# Allegro board IMX7D EVK BOARD REV D_160314.brd
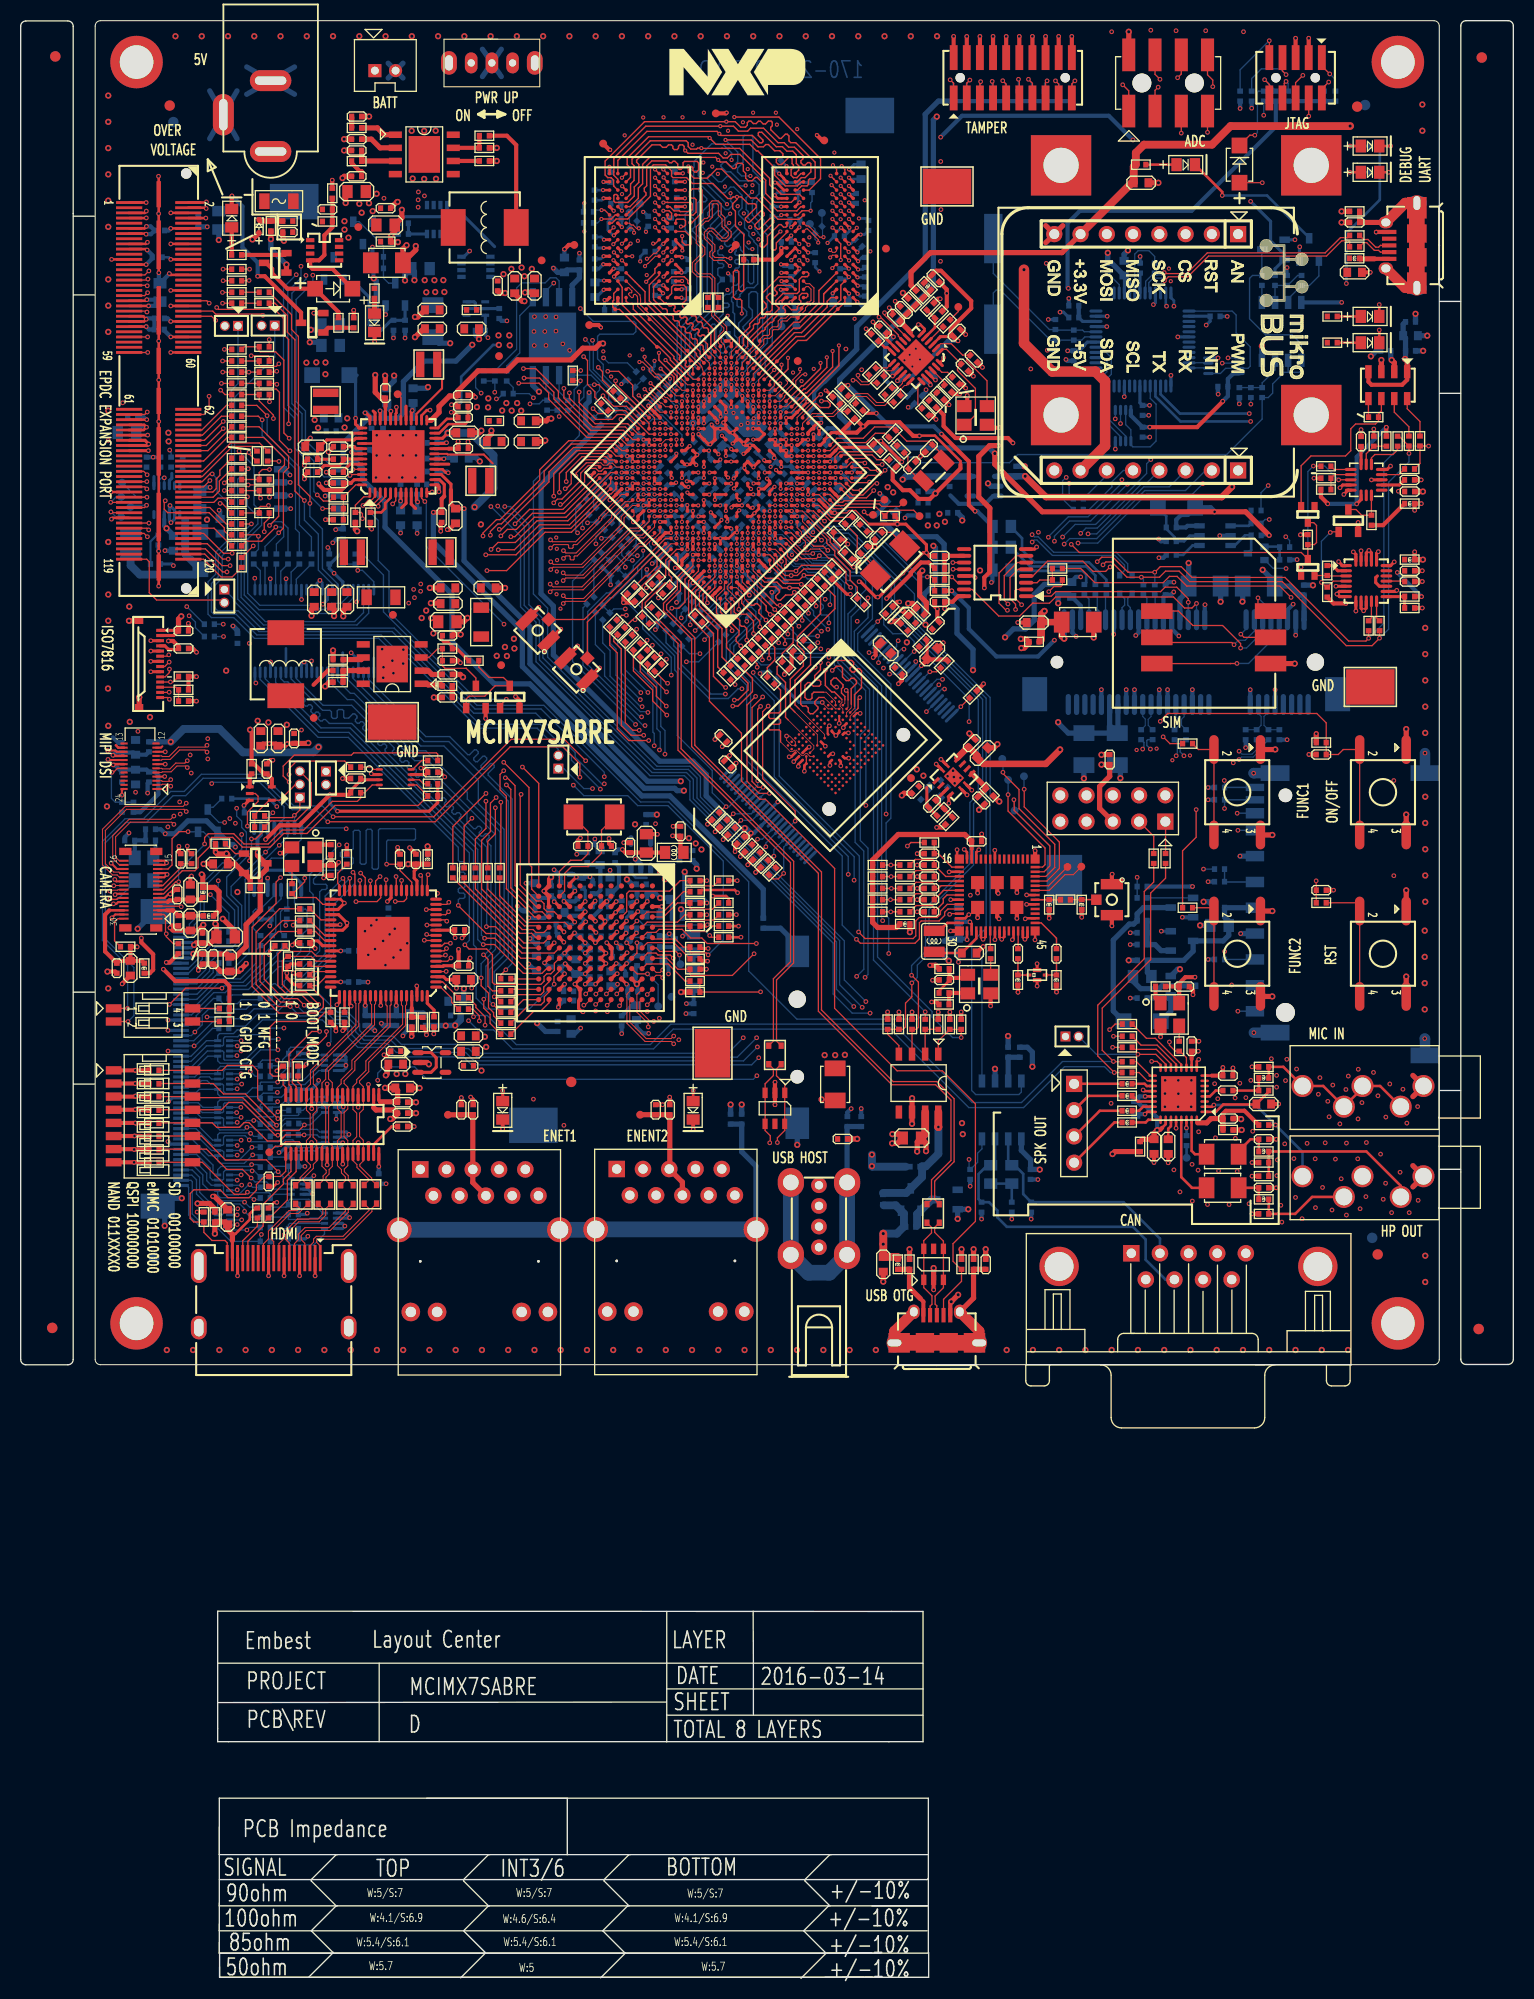
[diagram p0: board, top side]
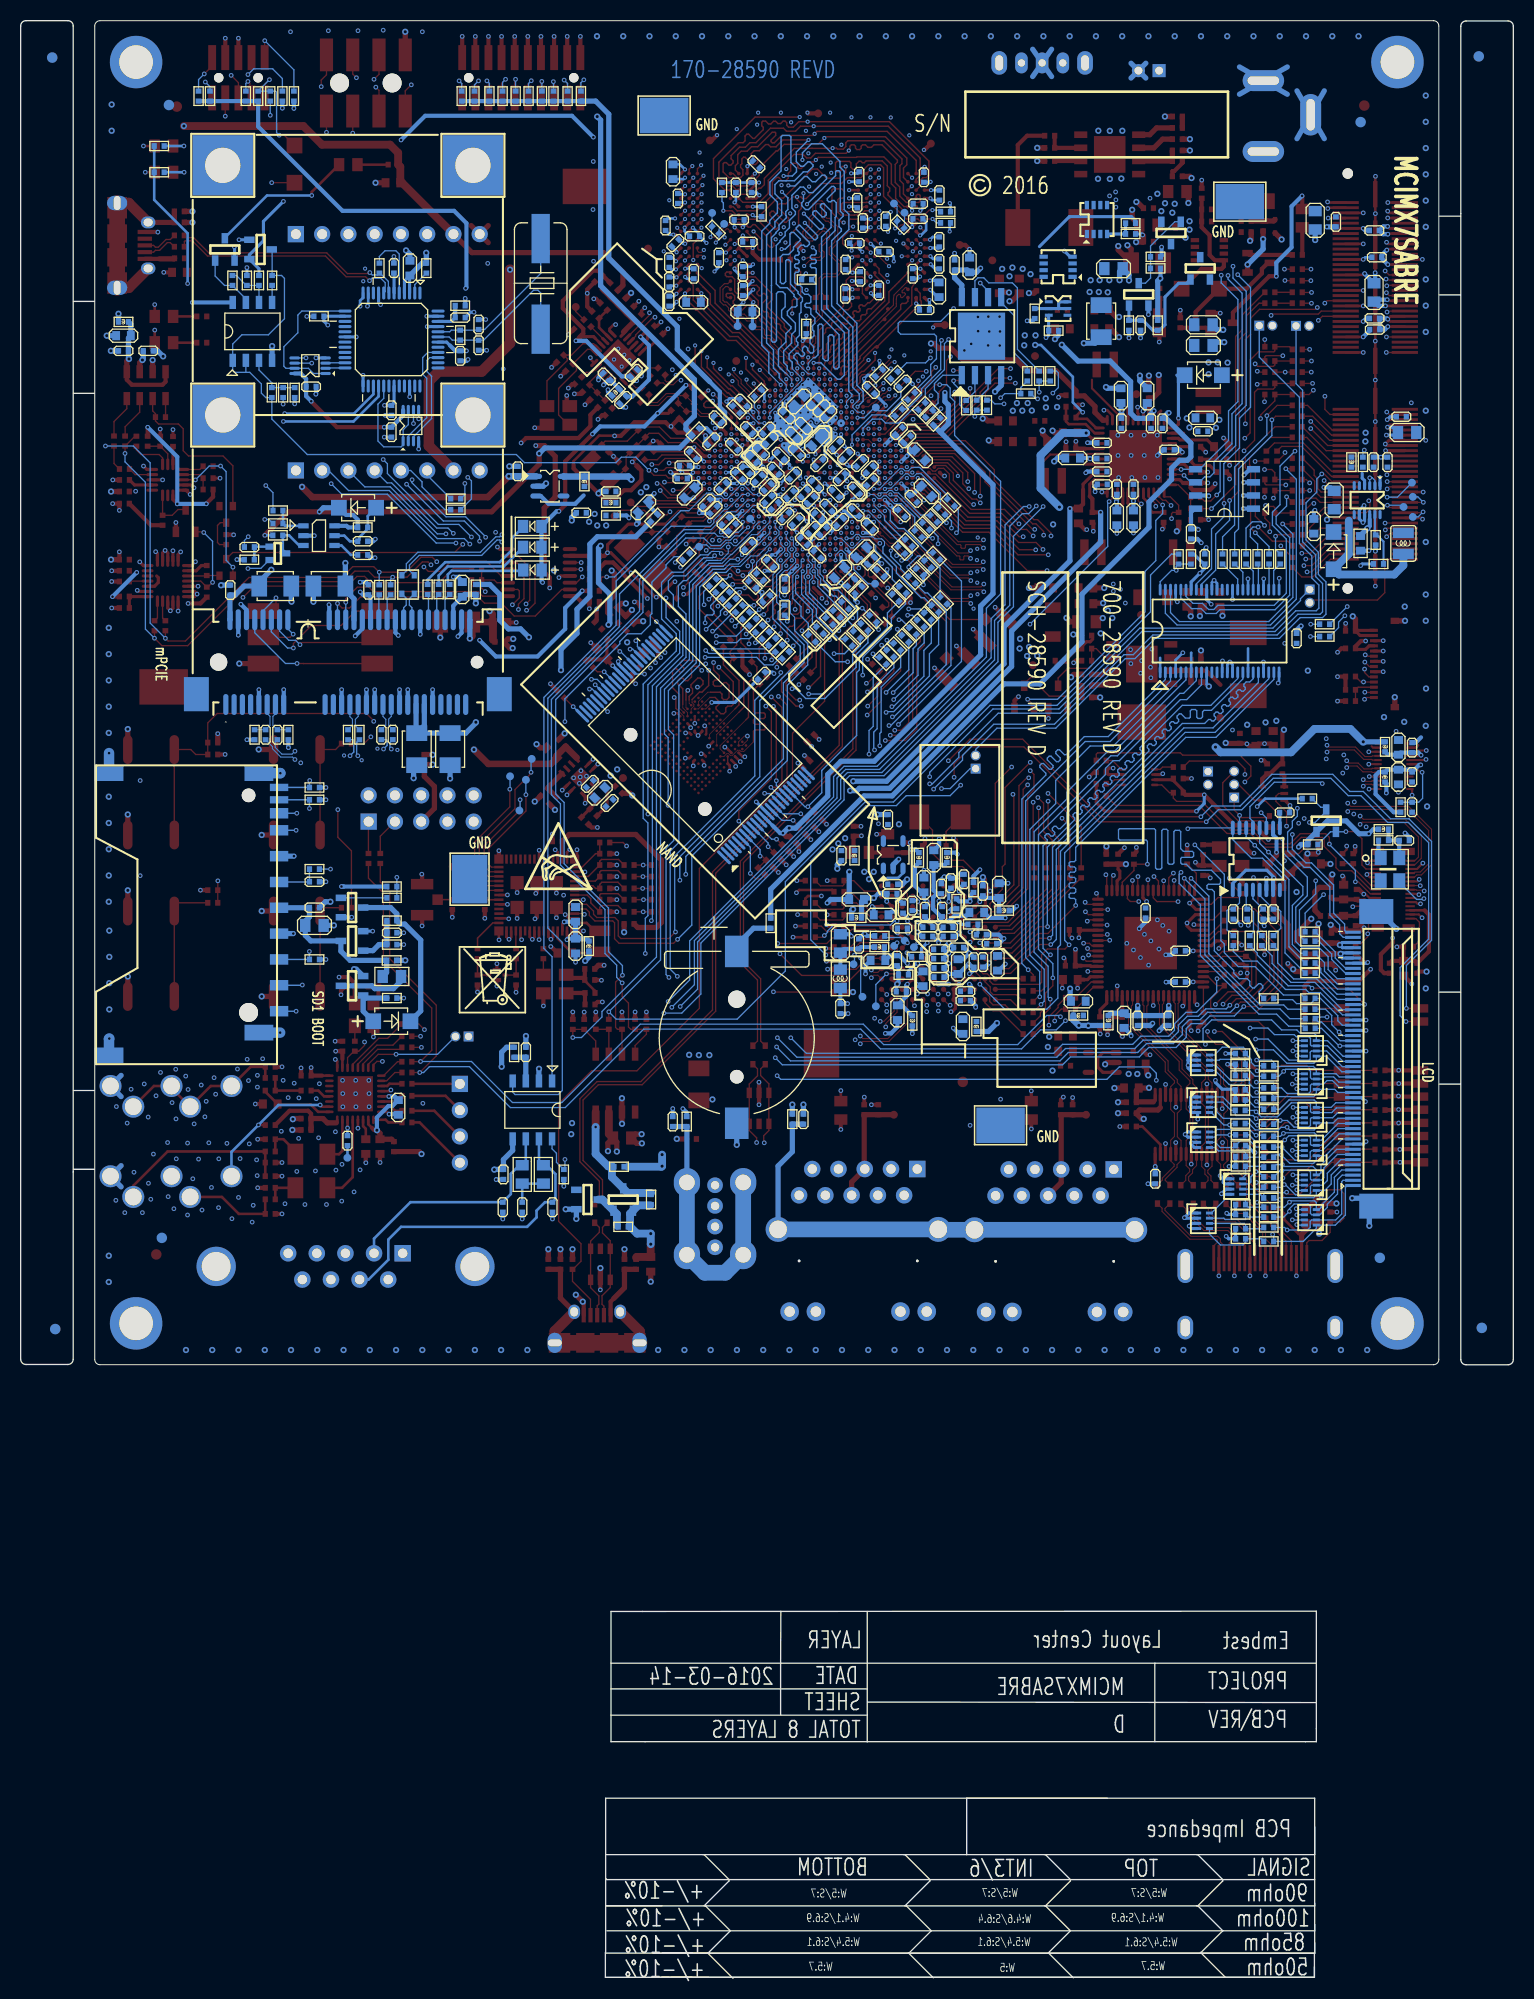
[diagram p1: board, bottom side, seen from below]

Outline 144.37 x 189.36 mm; copper layers: TOP, L2_GND_1, L3_INT_1, L4_PWR_1, L5_PWR_2, L6_INT_2, L7_GND_2, BOTTOM. Coordinates in mm from the lower left corner of the outline.
Outline path: 5.11,170.45 7.13,170.45 ; 5.11,162.83 7.13,162.83 ; 5.11,95.39 7.13,95.39 ; 5.11,86.5 7.13,86.5 ; 19.05,30.48 87.28,30.48 ; 19.05,26.67 62.44,26.72 ; 19.21,14.63 19.21,11.96 52.87,11.96 ; 52.87,11.96 52.87,17.42 39.28,17.42 ; 52.87,11.96 87.79,11.96 ; 19.21,9.55 87.67,9.55 87.79,9.68 ; 19.21,7.26 19.21,7.01 87.79,7.01 82.33,7.01 ; 19.21,5.23 19.21,4.6 87.67,4.6 ; 19.21,3.45 19.21,2.44 ; 19.21,2.44 19.21,17.42 87.79,17.42 87.79,2.44 79.41,2.44 81.44,2.44 ; 19.21,2.44 82.33,2.44 ; 19.21,2.44 82.33,2.44 ; 82.33,2.44 81.7,2.44 ; 19.24,1.12 19.24,0.1 ; 19.24,0.1 19.24,2.41 ; 19.24,0.1 82.36,0.1 ; 19.24,0.1 82.36,0.1 ; 82.36,0.1 81.72,0.1 ; 20.12,22.89 19.05,22.89 19.05,24.13 19.05,35.51 84.23,35.49 87.28,35.49 87.28,22.89 83.95,22.89 ; 30.52,7.01 28.1,9.42 28.1,9.55 30.52,11.96 30.64,11.96 ; 30.52,7.01 28.1,4.6 30.26,2.44 ; 30.52,7.01 30.64,7.01 ; 30.26,2.51 27.85,0.1 ; 34.67,30.48 34.67,22.89 ; 45.25,7.01 42.83,9.42 42.83,9.55 45.25,11.96 45.37,11.96 ; 45.25,7.01 42.83,4.6 44.99,2.44 ; 45.25,7.01 45.37,7.01 ; 44.97,2.46 42.56,0.05 ; 58.46,2.44 56.3,4.6 58.71,7.01 58.84,7.01 56.42,9.42 56.42,9.55 58.84,11.96 58.96,11.96 ; 58.51,2.46 56.09,0.05 ; 62.49,35.49 62.49,22.86 ; 62.51,27.99 87.28,27.99 ; 62.51,25.45 87.28,25.45 ; 70.84,35.51 70.87,30.48 70.87,25.48 ; 77.89,2.44 75.73,4.6 78.14,7.01 78.27,7.01 75.85,9.42 75.85,9.55 78.27,11.96 78.39,11.96 ; 77.76,2.44 83.22,2.44 ; 77.79,0.1 83.25,0.1 ; 77.89,2.41 75.47,0 ; 81.47,0.1 79.44,0.1 87.82,0.1 87.82,2.51 ; 84,22.89 20.1,22.89 ; 139.27,162.2 137.24,162.2 ; 139.27,153.31 137.24,153.31 ; 139.27,85.88 137.24,85.88 ; 139.27,78.26 137.24,78.26 ; 0,188.82 arc(0.15,189.18) 0.51,189.33 4.57,189.33 arc(4.93,189.18) 5.08,188.82 5.08,59.86 arc(4.93,59.5) 4.57,59.35 0.51,59.35 arc(0.15,59.5) 0,59.86 0,188.82 ; 7.21,188.85 7.21,59.86 arc(7.36,59.5) 7.72,59.35 136.7,59.35 arc(137.06,59.5) 137.21,59.86 137.21,188.85 arc(137.06,189.2) 136.7,189.35 7.72,189.35 arc(7.36,189.2) 7.21,188.85 ; 139.29,188.85 arc(139.44,189.21) 139.8,189.36 143.86,189.36 arc(144.22,189.21) 144.37,188.85 144.37,59.88 arc(144.22,59.52) 143.86,59.38 139.8,59.38 arc(139.44,59.52) 139.29,59.88 139.29,188.85

## Design rules (mm)
net group DIFFPAIR28: nets HDMI_D2M HDMI_D2P
net group DIFFPAIR29: nets HDMI_D1M HDMI_D1P
net group DIFFPAIR30: nets HDMI_D0M HDMI_D0P
net group DIFFPAIR31: nets HDMI_CLKM HDMI_CLKP
net group DIFFPAIR47: nets TD_P0_N0 TD_P0_P0
net group DIFFPAIR48: nets TD_P0_N1 TD_P0_P1
net group DIFFPAIR49: nets TD_P0_N2 TD_P0_P2
net group DIFFPAIR50: nets TD_P0_N3 TD_P0_P3
net group DIFFPAIR51: nets TD_P1_N0 TD_P1_P0
net group DIFFPAIR52: nets TD_P1_N1 TD_P1_P1
net group DIFFPAIR53: nets TD_P1_N2 TD_P1_P2
net group DIFFPAIR54: nets TD_P1_N3 TD_P1_P3
net group DIFFPAIR55: nets USB_HOST_N USB_HOST_P
net group DIFFPAIR56: nets USB_OTG_N USB_OTG_P
net group DIFFPAIR57: nets USB_OTG1_DN USB_OTG1_DP
net group DIFFPAIR58: nets D_USB_DN D_USB_DP
net group DIFFPAIR59: nets USB_DN USB_DP
net group DIFFPAIR60: nets MIPI_DSI_D1_N MIPI_DSI_D1_P
net group DIFFPAIR61: nets MIPI_DSI_CLK_N MIPI_DSI_CLK_P
net group DIFFPAIR62: nets MIPI_DSI_D0_N MIPI_DSI_D0_P
net group DIFFPAIR63: nets MIPI_CSI_D0_N MIPI_CSI_D0_P
net group DIFFPAIR64: nets MIPI_CSI_D1_N MIPI_CSI_D1_P
net group DIFFPAIR65: nets MIPI_CSI_CLK_N MIPI_CSI_CLK_P
net group DIFFPAIR66: nets DRAM_SDQS1_N DRAM_SDQS1_P
net group DIFFPAIR68: nets DRAM_SDQS3_N DRAM_SDQS3_P
net group DIFFPAIR69: nets DRAM_SDCLK0_N DRAM_SDCLK0_P
net group DIFFPAIR70: nets DRAM_SDQS2_N DRAM_SDQS2_P
net group DIFFPAIR71: nets DRAM_SDQS0_N DRAM_SDQS0_P
net group DIFFPAIR72: nets DDR_SDCLK0_N DDR_SDCLK0_P
net group DIFFPAIR73: nets N17107788 N17107790
net group DIFFPAIR74: nets N20024618 N20194241
net group DIFFPAIR75: nets N19947680 N19999209
net group DIFFPAIR76: nets HDMI_D2M_X HDMI_D2P_X
net group DIFFPAIR77: nets HDMI_D0M_X HDMI_D0P_X
net group DIFFPAIR78: nets HDMI_D1M_X HDMI_D1P_X
net group DIFFPAIR79: nets HDMI_CLKM_X HDMI_CLKP_X
net group GPIO_EPDC_D0: nets GPIO_EPDC_D0 QSPIA_DA0
net group GPIO_EPDC_D1: nets GPIO_EPDC_D1 QSPIA_DA1
net group GPIO_EPDC_D2: nets GPIO_EPDC_D2 QSPIA_DA2
net group GPIO_EPDC_D3: nets GPIO_EPDC_D3 QSPIA_DA3
net group GTXCLK_P0: nets GTXCLK_P0 RGMII1_TXC
net group HDMI_PCLK: nets HDMI_PCLK LCD1_CLK
net group HPOUTL: nets HPOUTL N18533201
net group HPOUTR: nets HPOUTR N18533198
net group I2C_PCIE: nets PCIE_SMB_CLK PCIE_SMB_DATA
net group LCD_B0: nets LCD1_DATA0 LCD_B0
net group LCD_B1: nets LCD1_DATA1 LCD_B1
net group LCD_B2: nets LCD1_DATA2 LCD_B2
net group LCD_B3: nets LCD1_DATA3 LCD_B3
net group LCD_B4: nets LCD1_DATA4 LCD_B4
net group LCD_B5: nets LCD1_DATA5 LCD_B5
net group LCD_B6: nets LCD1_DATA6 LCD_B6
net group LCD_B7: nets LCD1_DATA7 LCD_B7
net group LCD_G0: nets LCD1_DATA8 LCD_G0
net group LCD_G1: nets LCD1_DATA9 LCD_G1
net group LCD_G2: nets LCD1_DATA10 LCD_G2
net group LCD_G3: nets LCD1_DATA11 LCD_G3
net group LCD_G4: nets LCD1_DATA12 LCD_G4
net group LCD_G5: nets LCD1_DATA13 LCD_G5
net group LCD_G6: nets LCD1_DATA14 LCD_G6
net group LCD_G7: nets LCD1_DATA15 LCD_G7
net group LCD_R0: nets LCD1_DATA16 LCD_R0
net group LCD_R1: nets LCD1_DATA17 LCD_R1
net group LCD_R2: nets LCD1_DATA18 LCD_R2
net group LCD_R3: nets LCD1_DATA19 LCD_R3
net group LCD_R4: nets LCD1_DATA20 LCD_R4
net group LCD_R5: nets LCD1_DATA21 LCD_R5
net group LCD_R6: nets LCD1_DATA22 LCD_R6
net group LCD_R7: nets LCD1_DATA23 LCD_R7
net group MIC: nets MIC MIC_RAW
net group N19949408: nets N19949408 N20073057
net group OTG_VBUS: nets OTG_VBUS USB_OTG_PWR
net group PCIE_CLK: nets PCIE_REFCLK_N PCIE_REFCLK_P
net group PCIE_CREFCLK: nets PCIE_REFCLKOUT_N PCIE_REFCLKOUT_P
net group PCIE_CRX: nets N21736604 PCIE_CRXP
net group PCIE_CTX: nets PCIE_CTXM PCIE_CTXP
net group PCIE_RX: nets PCIE_RX_N PCIE_RX_P
net group PCIE_TX: nets PCIE_TX_N PCIE_TX_P
net group PCIE_USB_D: nets PCIE_USB_DM PCIE_USB_DP
net group PLLVDD_ENET: nets N17474021 PLLVDD_ENET
net group QSPIA_SCLK: nets GPIO_EPDC_D5 QSPIA_SCLK
net group RGMII1_RX_CTL: nets RGMII1_RX_CTL RX_DV_P0
net group RGMII1_RXC: nets RGMII1_RXC RXC_P0
net group RGMII1_RXD0: nets RGMII1_RXD0 RXD_P0_0
net group RGMII1_RXD1: nets RGMII1_RXD1 RXD_P0_1
net group RGMII1_RXD2: nets RGMII1_RXD2 RXD_P0_2
net group RGMII1_RXD3: nets RGMII1_RXD3 RXD_P0_3
net group RGMII2_TX_CTL: nets BUF_RGMII2_TX_CTL RGMII2_TX_CTL
net group RGMII2_TXC: nets BUF_RGMII2_TXC RGMII2_TXC
net group RGMII2_TXD0: nets BUF_RGMII2_TXD0 RGMII2_TXD0
net group RGMII2_TXD1: nets BUF_RGMII2_TXD1 RGMII2_TXD1
net group RGMII2_TXD2: nets BUF_RGMII2_TXD2 RGMII2_TXD2
net group RGMII2_TXD3: nets BUF_RGMII2_TXD3 RGMII2_TXD3
net group SD1_CMD: nets SD1_CMD SOC_SD1_CMD
net group SD3_CMD: nets GPIO_SD3_CMD SD3_CMD
net group SD3_RESET_B: nets GPIO_SD3_RESET_B SD3_RESET_B
net group SPKLP: nets SPKLP SPKOUTLP
net group SPKOUTR: nets SPKOUTRP SPKRN
net group SPLLVDD_ENET: nets N19223289 SPLLVDD_ENET
net group TXD_EN_P0: nets RGMII1_TX_CTL TXD_EN_P0
net group TXD_P0_0: nets RGMII1_TXD0 TXD_P0_0
net group TXD_P0_1: nets RGMII1_TXD1 TXD_P0_1
net group TXD_P0_2: nets RGMII1_TXD2 TXD_P0_2
net group TXD_P0_3: nets RGMII1_TXD3 TXD_P0_3
net group USB_HOST: nets USB_PCIE_DN USB_PCIE_DP
net group USB_HOST_D: nets USB_OTG2_DN USB_OTG2_DP
net group AVDDL_CLK_ENET: nets AVDDL_CLK_ENET
net group DBG_5V: nets DBG_5V
net group DDR-DATA3: nets DRAM_DQM2
net group DLP-RGB: nets LCD1_HSYNC
net group HDMI_AVCC12: nets HDMI_AVCC12
net group I2C_EPDC: nets EPD_I2C_SCL EPD_I2C_SDA I2C3_SCL I2C3_SDA
net group NAND_D0: nets GPIO_SD3_DATA0 NAND_D0 SD3_DATA0
net group NAND_D1: nets GPIO_SD3_DATA1 NAND_D1 SD3_DATA1
net group NAND_D2: nets GPIO_SD3_DATA2 NAND_D2 SD3_DATA2
net group NAND_D3: nets GPIO_SD3_DATA3 NAND_D3 SD3_DATA3
net group NAND_D4: nets GPIO_SD3_DATA4 NAND_D4 SD3_DATA4
net group NAND_D5: nets GPIO_SD3_DATA5 NAND_D5 SD3_DATA5
net group NAND_D6: nets GPIO_SD3_DATA6 NAND_D6 SD3_DATA6
net group NAND_D7: nets GPIO_SD3_DATA7 NAND_D7 SD3_DATA7
net group NVCC_1V8: nets WLIO_1V8
net group NVCC_SD1: nets NVCC_SD1 SD1_CD_B SD1_WP
net group PCIE_UIM: nets PCI3_UIM_CLK PCIE_UIM_DATA PCIE_UIM_PWR PCIE_UIM_RST PCIE_UIM_VPP
net group RGMII2_RX: nets RGMII2_RX_CTL RGMII2_RXC RGMII2_RXD0 RGMII2_RXD1 RGMII2_RXD2 RGMII2_RXD3
net group SD1: nets SD1_CLK SD1_CLK_R SD1_DATA0 SD1_DATA1 SD1_DATA2 SD1_DATA3
net group SD1_CLK: nets SOC_SD1_CLK
net group SD1_DATA0: nets SOC_SD1_DATA0
net group SD1_DATA1: nets SOC_SD1_DATA1
net group SD1_DATA2: nets SOC_SD1_DATA2
net group SD1_DATA3: nets SOC_SD1_DATA3
net group SD2_CLK_R: nets SD2_CLK SD2_CLK_R SOC_SD2_CLK
net group SD2_CMD: nets SD2_CMD SD2_CMD_R SOC_SD2_CMD
net group SD2_DATA0: nets SD2_DA0 SD2_DATA0 SOC_SD2_DATA0
net group SD2_DATA1: nets SD2_DA1 SD2_DATA1 SOC_SD2_DATA1
net group SD2_DATA2: nets SD2_DA2 SD2_DATA2 SOC_SD2_DATA2
net group SD2_DATA3: nets SD2_DA3 SD2_DATA3 SOC_SD2_DATA3
net group SD3_CLK: nets GPIO_SD3_CLK SD3_CLK SD3_CLK_R
net group SD3_STROBE: nets GPIO_SD3_STROBE SD3_STROBE SD3_STROBE_R
net group SPKOUTL: nets SPKOUTLN
net group SPKRP: nets SPKRP
net group VDDA_1P8: nets N19947907 N21042852 VDDA_1P8 VDDA_ADC_1P8
net group VLDO4_2V8: nets N21040777 N21040955 N21066058 VLDO4_2V8
nets with their own width: min track width 0.127; nets GND

## Placement (name value [footprint] x y rotation side)
C1  100uF  [C35X28]  35.42 165.93 0 top
C2  22uF  [C0805]  35.29 169.59 0 top
C3  1uF  [C0402]  35.29 171.22 0 top
C4  22uF  [C0805]  41.27 131.22 0 top
C5  220nF  [C0402]  41.27 129.88 0 top
C6  100nF  [C0402]  41.27 127.45 0 top
C7  220nF  [C0402]  26.45 119.93 270 top
C8  22uF  [C0603]  23.22 119.93 270 top
C9  22uF  [C0603]  24.89 119.93 270 top
C10  22uF  [C0805]  32.5 172.83 180 top
C11  220nF  [C0402]  32.5 174.3 180 top
C12  220nF  [C0402]  32.5 176.8 180 top
C13  220nF  [C0402]  46.14 163.71 270 top
C14  22uF  [C0603]  49.7 163.71 270 top
C15  10nF  [C0402]  41.27 126.12 0 top
C16  22uF  [C0603]  47.79 163.71 270 top
C17  560pF  [C0402]  41.26 123.9 180 top
C18  10nF  [C0402]  32.5 177.9 180 top
C19  560pF  [C0402]  32.5 180.09 0 top
C20  1uF  [C0402]  39.79 148.52 180 bottom
C21  1uF  [C0402]  39.76 144.5 180 bottom
C22  1uF  [C0402]  39.79 145.75 180 bottom
C23  2.2uF  [C0402]  40.72 141.31 270 top
C24  100nF  [C0402]  42.78 150.97 0 top
C25  4.7uF  [C0603]  42.05 141.45 270 top
C26  2.2uF  [C0402]  42.8 147.99 0 top
C27  4.7uF  [C0603]  42.86 149.49 0 top
C28  100nF  [C0402]  42.78 152.02 180 top
C29  1uF  [C0402]  42.78 153.13 0 top
C30  100nF  [C0402]  33.94 150.41 270 bottom
C31  470nF  [C0402]  35.04 150.41 270 bottom
C32  22uF  [C0603]  28.39 133.38 270 top
C33  22uF  [C0603]  41.33 134.49 180 top
C34  22uF  [C0603]  31.56 133.38 270 top
C35  22uF  [C0603]  30.08 133.38 270 top
C36  4.7uF  [C0603]  37.95 153.09 90 bottom
C37  100nF  [C0402]  37.91 150.41 270 bottom
C38  22uF  [C0603]  39.81 159.55 180 top
C39  22uF  [C0603]  39.81 161.38 180 top
C40  22uF  [C0603]  43.62 159.55 0 top
C41  22uF  [C0603]  49.11 150.65 0 top
C42  100nF  [C0402]  36.74 144.03 90 bottom
C43  4.7uF  [C0603]  36.74 141.27 270 bottom
C44  22uF  [C0603]  41.33 132.96 180 top
C45  22uF  [C0603]  45.22 134.49 0 top
C46  100nF  [C0402]  38.35 144.03 90 bottom
C47  4.7uF  [C0603]  38.35 141.27 270 bottom
C48  4.7uF  [C0603]  35.41 153.09 90 bottom
C49  2.2uF  [C0402]  35.27 153.33 90 top
C50  100nF  [C0402]  39.79 147 180 bottom
C51  4.7uF  [C0603]  30.03 150.94 180 bottom
C52  100nF  [C0402]  30.03 149.64 180 bottom
C53  4.7uF  [C0603]  42.63 147.05 0 bottom
C54  22uF  [C0603]  45.8 148.65 180 top
C55  22uF  [C0603]  49.11 148.65 0 top
C56  22uF  [C0805]  29.98 159.94 180 bottom
C57  22uF  [C0805]  29.98 157.94 180 bottom
C58  1uF  [C0402]  33.28 147.85 0 bottom
C59  1uF  [C0402]  28.23 145.69 180 top
C60  220nF  [C0402]  30.73 145.69 180 top
C61  1uF  [C0402]  30.73 148.15 180 top
C62  10uF  [C0603]  28.24 148.15 180 top
C63  220nF  [C0402]  59.42 149.67 135 bottom
C64  220nF  [C0402]  58.62 148.86 135 bottom
C65  22uF  [C0603]  56.75 143.83 225 bottom
C66  220nF  [C0402]  72.77 147.68 225 bottom
C67  2.2uF  [C0402]  67.54 144.5 45 bottom
C68  220nF  [C0402]  70.48 134.86 270 bottom
C69  220nF  [C0402]  71.88 136.85 225 bottom
C70  220nF  [C0402]  62.25 140.42 225 bottom
C71  220nF  [C0402]  59.17 141.7 225 bottom
C72  220nF  [C0402]  58.01 143.11 225 bottom
C73  22uF  [C0603]  57.38 147.32 225 bottom
C74  220nF  [C0402]  73.93 149.75 45 bottom
C75  220nF  [C0402]  72.22 149.71 135 bottom
C76  2.2uF  [C0402]  75.37 148.15 45 bottom
C77  2.2uF  [C0402]  64.96 145.2 315 bottom
C78  220nF  [C0402]  73.5 146.97 225 bottom
C79  220nF  [C0402]  76.19 140.96 315 bottom
C80  220nF  [C0402]  69.57 149.23 45 bottom
C81  220nF  [C0402]  69.29 147.61 225 bottom
C82  220nF  [C0402]  73.98 138.54 315 bottom
C83  220nF  [C0402]  68.62 150.16 45 bottom
C84  220nF  [C0402]  62.19 144.73 315 bottom
C85  22uF  [C0603]  67.36 148.74 315 bottom
C86  220nF  [C0402]  78.03 142.73 315 bottom
C87  2.2uF  [C0402]  77.35 142.03 315 bottom
C88  220nF  [C0402]  66.25 142.25 225 bottom
C89  2.2uF  [C0402]  71.35 145.84 225 bottom
C90  220nF  [C0402]  87.28 143.83 0 bottom
C91  2.2uF  [C0402]  74.89 145.33 45 bottom
C92  220nF  [C0402]  62.24 145.95 135 bottom
C93  220nF  [C0402]  74.18 145.88 45 bottom
C94  220nF  [C0402]  77.58 148.67 315 bottom
C95  2.2uF  [C0402]  76.95 150.79 45 bottom
C96  4.7uF  [C0603]  84.15 142.28 315 bottom
C97  2.2uF  [C0402]  79.35 147.32 45 bottom
C98  220nF  [C0402]  72.12 144.23 315 bottom
C99  220nF  [C0402]  72.98 145.08 315 bottom
C100  2.2uF  [C0402]  70.86 147.27 225 bottom
C101  220nF  [C0402]  63.62 141.8 45 bottom
C102  18pF  [C0402]  87.84 148 225 top
C103  18pF  [C0402]  86.22 146.35 45 top
C104  220nF  [C0402]  67.32 137.72 225 bottom
C105  18pF  [C0402]  81.58 138.17 45 top
C106  18pF  [C0402]  82.97 139.53 225 top
C107  220nF  [C0402]  76.48 144.35 315 bottom
C108  220nF  [C0402]  68.63 138.98 225 bottom
C109  2.2uF  [C0402]  63.19 146.57 135 bottom
C110  220nF  [C0402]  70.41 141.42 315 bottom
C111  2.2uF  [C0402]  69.39 140.91 315 bottom
C112  470nF  [C0402]  65.49 148.29 135 bottom
C113  470nF  [C0402]  63.55 143.91 225 bottom
C114  470nF  [C0402]  64.53 147.27 135 bottom
C115  2.2uF  [C0402]  65.54 143.61 45 bottom
C116  2.2uF  [C0402]  67.13 146.56 315 bottom
C117  220nF  [C0402]  65.11 140.86 135 bottom
C118  220nF  [C0402]  71.42 142.43 315 bottom
C119  220nF  [C0402]  67.21 141.4 45 bottom
C120  2.2uF  [C0402]  67.84 140.1 315 bottom
C121  10uF  [C0603]  65.19 135.97 315 bottom
C122  220nF  [C0402]  66.76 139.98 135 bottom
C123  10uF  [C0603]  63.04 137.93 135 bottom
C124  220nF  [C0402]  69.95 143.53 135 bottom
C125  220nF  [C0402]  67.96 143 135 bottom
C126  2.2uF  [C0402]  68.58 143.64 135 bottom
C127  220nF  [C0402]  72.05 143.05 315 bottom
C128  2.2uF  [C0402]  69.66 145.36 135 bottom
C129  220nF  [C0402]  90.15 141.75 0 bottom
C130  220nF  [C0402]  80.17 146.32 0 bottom
C131  2.2uF  [C0402]  80.38 145.07 0 bottom
C136  220nF  [C0402]  82 169.55 90 bottom
C137  220nF  [C0402]  57.57 171.66 180 bottom
C138  220nF  [C0402]  75.2 173.22 90 bottom
C139  220nF  [C0402]  63.71 167.84 180 bottom
C140  220nF  [C0402]  62.14 153.64 225 bottom
C141  100nF  [C0402]  74.47 152.41 45 bottom
C142  220nF  [C0402]  57.59 170.2 180 bottom
C143  220nF  [C0402]  58.09 164.88 270 bottom
C144  220nF  [C0402]  64.62 162.94 90 bottom
C145  220nF  [C0402]  73.21 175.47 45 bottom
C146  220nF  [C0402]  60.69 169.95 270 bottom
C147  220nF  [C0402]  63.27 174.26 90 bottom
C148  22uF  [C0603]  69.12 152.52 315 bottom
C149  220nF  [C0402]  63.46 171.74 270 bottom
C150  220nF  [C0402]  62.91 169.78 270 bottom
C151  220nF  [C0402]  63.17 164.6 90 bottom
C152  220nF  [C0402]  55.53 165.83 90 bottom
C153  220nF  [C0402]  74.51 163.25 270 bottom
C154  220nF  [C0402]  70.29 151.17 225 bottom
C155  220nF  [C0402]  61.36 163.27 270 bottom
C156  22uF  [C0603]  74.3 161.2 180 bottom
C157  220nF  [C0402]  55.51 172.48 90 bottom
C158  220nF  [C0402]  74.51 165.08 270 bottom
C159  220nF  [C0402]  81.64 164.08 90 bottom
C160  220nF  [C0402]  60.88 167.01 180 bottom
C161  220nF  [C0402]  80.81 172.16 270 bottom
C162  220nF  [C0402]  81.64 165.98 270 bottom
C163  220nF  [C0402]  79.26 164.88 90 bottom
C164  22uF  [C0603]  81.28 174.75 90 bottom
C165  220nF  [C0402]  79.19 168.5 180 bottom
C166  220nF  [C0402]  81.05 167.86 315 bottom
C167  220nF  [C0402]  74.88 170.09 0 bottom
C168  220nF  [C0402]  76.84 166.43 270 bottom
C169  220nF  [C0402]  57.01 174.21 90 bottom
C170  220nF  [C0402]  74.05 167.96 180 bottom
C171  220nF  [C0402]  67.55 152.49 315 bottom
C172  22uF  [C0603]  55.55 163.33 270 bottom
C173  220nF  [C0402]  66.25 151.28 315 bottom
C174  220nF  [C0402]  73.68 173.22 90 bottom
C175  220nF  [C0402]  55.53 167.96 270 bottom
C176  220nF  [C0402]  64.58 165.77 270 bottom
C177  220nF  [C0402]  56.96 161.38 180 bottom
C178  220nF  [C0402]  81.64 162.23 90 bottom
C179  220nF  [C0402]  66.92 151.86 315 bottom
C180  22uF  [C0603]  79.29 162.12 180 bottom
C181  100nF  [C0402]  89.32 115.54 315 bottom
C182  100nF  [C0402]  87.41 113.68 315 bottom
C183  4.7uF  [C0603]  88.35 114.67 315 bottom
C184  100nF  [C0402]  67.98 119.96 135 top
C185  100nF  [C0402]  68.37 117.41 135 top
C186  100nF  [C0402]  88.51 130.85 45 top
C187  100nF  [C0402]  84.9 126.46 315 top
C188  4.7uF  [C0603]  83.66 128.65 135 top
C189  4.7uF  [C0603]  52.6 165.72 90 bottom
C190  220nF  [C0402]  54.04 165.72 90 bottom
C191  220nF  [C0402]  72.71 126 135 bottom
C192  220nF  [C0402]  69.64 110.1 225 top
C193  4.7uF  [C0603]  88.17 128.14 45 top
C194  1uF  [C0402]  108.47 101.13 0 bottom
C195  47uF  [C0805]  115.96 101.85 180 bottom
C196  100nF  [C0402]  115.96 103.56 180 bottom
C197  18pF  [C0402]  115.96 106.07 180 bottom
C198  100uF  [C35X28]  102.24 131.18 0 top
C199  100uF  [C35X28]  102.84 118.89 270 bottom
C200  4.7uF  [C0603]  98.01 131.14 180 top
C201  100nF  [C0402]  124.1 134.28 90 bottom
C202  100uF  [C35X28]  119.75 134.67 180 bottom
C203  100uF  [C35X28]  114.51 134.67 0 bottom
C204  100uF  [C35X28]  106.06 118.89 270 bottom
C205  4.7uF  [C0603]  101.66 134.34 90 bottom
C206  100nF  [C0402]  110.74 134.31 90 bottom
C207  100nF  [C0402]  109.48 120.29 90 bottom
C208  100nF  [C0402]  108.37 120.29 90 bottom
C209  100nF  [C0402]  42.84 97.94 0 top
C210  100nF  [C0402]  32.21 99.39 0 bottom
C211  100nF  [C0402]  32.21 96.37 0 bottom
C212  100nF  [C0402]  35.57 103.05 270 bottom
C213  100nF  [C0402]  42.46 101.41 0 top
C214  10uF  [C0603]  42.07 94.51 0 bottom
C215  22uF  [C0603]  43.31 91.16 0 top
C216  100nF  [C0402]  27.48 100.16 180 top